# Altium PCB BOARD.PcbDoc (continued)
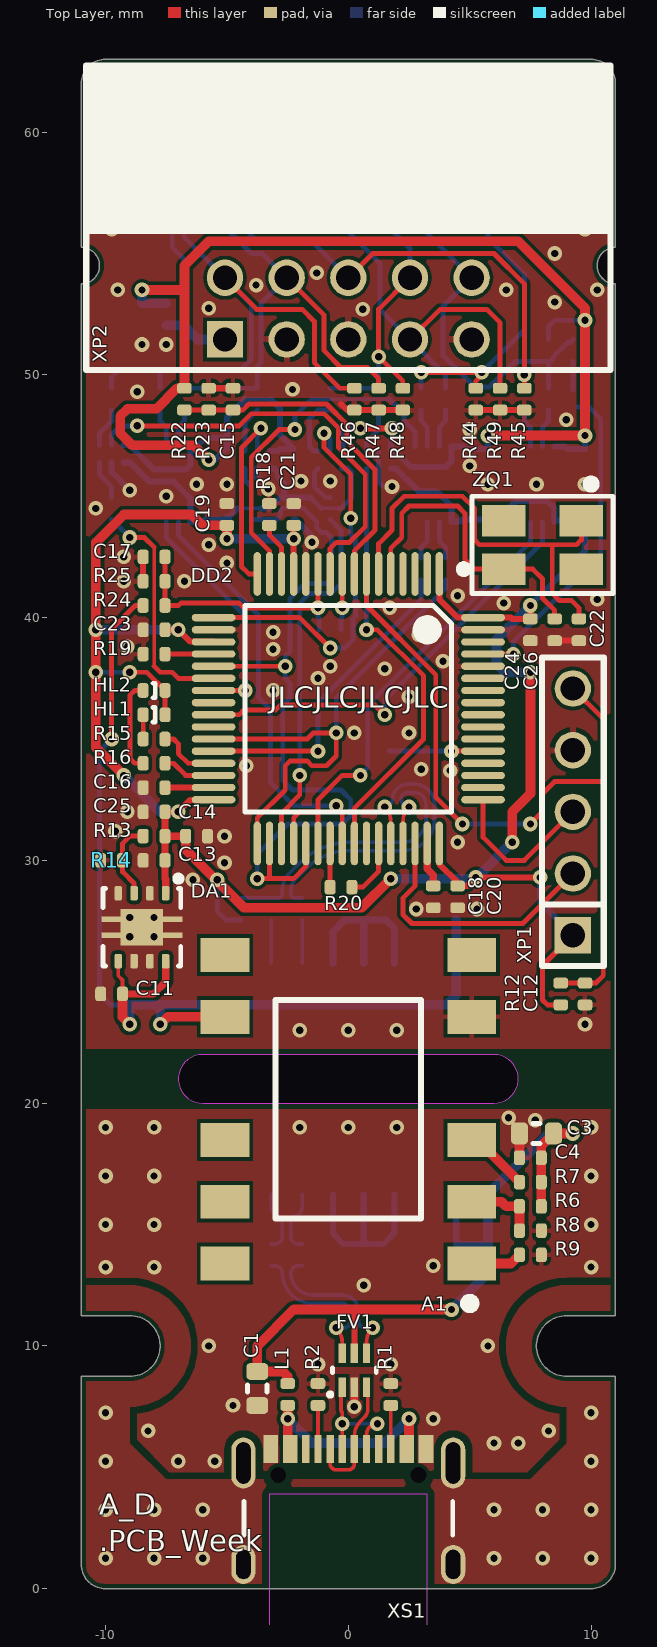
[diagram p0: Top Layer view]
## Part data (continued)
R4 R5 R10 R11: library part RC0402JR-0720RL, Limit Voltage=50V, Manufacturer=Yageo, Schematic Value="20 ±5%", Temperature Coefficient=100ppm, Tolerance=±5%, Total Power Dissipation=0.1W, Working Temperature Max=+155°С, Working Temperature Min=-55°С, Application Category=1, ID=369, Part Number=RC0402JR-0720RL, Published=24.03.2010, Publisher="Andrew Danich", Series Type=Thick-Film, Type=Резистор
R6 R7 R8 R9 R18 R19 R20 R21 R28: library part RC0402JR-070RL, Limit Voltage=50V, Manufacturer=Yageo, Schematic Value="0 ±5%", Temperature Coefficient=100ppm, Tolerance=±5%, Total Power Dissipation=0.1W, Working Temperature Max=+155°С, Working Temperature Min=-55°С, Application Category=1, ID=362, Part Number=RC0402JR-070RL, Published=24.03.2010, Publisher="Andrew Danich", Series Type=Thick-Film, Type=Резистор
R12: library part RC0402JR-0710KL, Limit Voltage=50V, Manufacturer=Yageo, Schematic Value="10k ±5%", Temperature Coefficient=100ppm, Tolerance=±5%, Total Power Dissipation=0.1W, Working Temperature Max=+155°С, Working Temperature Min=-55°С, Application Category=1, ID=476, Part Number=RC0402JR-0710KL, Published=24.03.2010, Publisher="Andrew Danich", Series Type=Thick-Film, Type=Резистор
R13: library part RC0402FR-0722K1L, Limit Voltage=50V, Manufacturer=Yageo, Schematic Value="22.1k ±1%", Temperature Coefficient=100ppm, Tolerance=±1%, Total Power Dissipation=0.1W, Working Temperature Max=+155°С, Working Temperature Min=-55°С, Application Category=1, ID=447, Part Number=RC0402FR-0722K1L, Published=24.03.2010, Publisher="Andrew Danich", Series Type=Thick-Film, Type=Резистор
R14: library part RC0402FR-0712KL, Limit Voltage=50V, Manufacturer=Yageo, Schematic Value="12k ±1%", Temperature Coefficient=100ppm, Tolerance=±1%, Total Power Dissipation=0.1W, Working Temperature Max=+155°С, Working Temperature Min=-55°С, Application Category=1, ID=318, Part Number=RC0402FR-0712KL, Published=24.03.2010, Publisher="Andrew Danich", Series Type=Thick-Film, Type=Резистор
R15 R16: library part RC0402JR-071KL, Limit Voltage=50V, Manufacturer=Yageo, Schematic Value="1k ±5%", Temperature Coefficient=100ppm, Tolerance=±5%, Total Power Dissipation=0.1W, Working Temperature Max=+155°С, Working Temperature Min=-55°С, Application Category=1, ID=3, Part Number=RC0402JR-071KL, Published=24.03.2010, Publisher="Andrew Danich", Series Type=Thick-Film, Type=Резистор
R17: library part RC0402FR-071K6L, Limit Voltage=50V, Manufacturer=Yageo, Schematic Value="1.6k ±1%", Temperature Coefficient=100ppm, Tolerance=±1%, Total Power Dissipation=0.1W, Working Temperature Max=+155°С, Working Temperature Min=-55°С, Application Category=1, ID=504, Part Number=RC0402FR-071K6L, Published=24.03.2010, Publisher="Andrew Danich", Series Type=Thick-Film, Type=Резистор
R22 R23 R24 R25: library part RC0402FR-0710KL, Limit Voltage=50V, Manufacturer=Yageo, Schematic Value="10k ±1%", Temperature Coefficient=100ppm, Tolerance=±1%, Total Power Dissipation=0.1W, Working Temperature Max=+155°С, Working Temperature Min=-55°С, Application Category=1, ID=2, Part Number=RC0402FR-0710KL, Published=24.03.2010, Publisher="Andrew Danich", Series Type=Thick-Film, Type=Резистор
R26: library part RC0402JR-074K7L, Limit Voltage=50V, Manufacturer=Yageo, Schematic Value="4.7k ±5%", Temperature Coefficient=100ppm, Tolerance=±5%, Total Power Dissipation=0.1W, Working Temperature Max=+155°С, Working Temperature Min=-55°С, Application Category=1, ID=4, Part Number=RC0402JR-074K7L, Published=24.03.2010, Publisher="Andrew Danich", Series Type=Thick-Film, Type=Резистор
R27: library part RC0402JR-0751RL, Limit Voltage=50V, Manufacturer=Yageo, Schematic Value="51 ±5%", Temperature Coefficient=100ppm, Tolerance=±5%, Total Power Dissipation=0.1W, Working Temperature Max=+155°С, Working Temperature Min=-55°С, Application Category=1, ID=374, Part Number=RC0402JR-0751RL, Published=24.03.2010, Publisher="Andrew Danich", Series Type=Thick-Film, Type=Резистор
R29 R30 R31 R32 R33 R34 R35 R38 R39 R43: library part RC0402JR-07470RL, Limit Voltage=50V, Manufacturer=Yageo, Schematic Value="470 ±5%", Temperature Coefficient=100ppm, Tolerance=±5%, Total Power Dissipation=0.1W, Working Temperature Max=+155°С, Working Temperature Min=-55°С, Application Category=1, ID=619, Part Number=RC0402JR-07470RL, Published=24.03.2010, Publisher="Andrew Danich", Series Type=Thick-Film, Type=Резистор
R36 R37 R40 R41 R42: library part RC0402JR-07100RL, Limit Voltage=50V, Manufacturer=Yageo, Schematic Value="100 ±5%", Temperature Coefficient=100ppm, Tolerance=±5%, Total Power Dissipation=0.1W, Working Temperature Max=+155°С, Working Temperature Min=-55°С, Application Category=1, ID=479, Part Number=RC0402JR-07100RL, Published=24.03.2010, Publisher="Andrew Danich", Series Type=Thick-Film, Type=Резистор
R44 R45 R46 R47 R48 R49: library part RC0402JR-07200KL, Limit Voltage=50V, Manufacturer=Yageo, Schematic Value="200k ±5%", Temperature Coefficient=100ppm, Tolerance=±5%, Total Power Dissipation=0.1W, Working Temperature Max=+155°С, Working Temperature Min=-55°С, Application Category=1, ID=353, Part Number=RC0402JR-07200KL, Published=24.03.2010, Publisher="Andrew Danich", Series Type=Thick-Film, Type=Резистор
VT1: library part NX3008NBKMB, D-S On-Resistance=1.4omh, D-S Voltage=30V, Drain Current=530mA, Gate Capacitance=50pF, Gate Threshold Voltage=1.1V, Manufacturer="NXP Semiconductors", Total Power Dissipation=360mW, Working Temperature Max=+150°С, Working Temperature Min=-55°С, Application Category=1, Functional Analog=-, ID=36, Part Number=NX3008NBKMB, Published=24.09.2010, Publisher="Andrew Danich", Type=Транзистор
XP1: library part PLS-5, Limit Current=3A, Limit Voltage=250V, Resistance=15momh, Application Category=1, Connector Type=Male, ID=4, Part Number=PLS-5, Pins=5, Pitch=2.54mm, Published=07.03.2013, Publisher="Andrew Danich", Surface Finish=Gold, Type=Вилка
XP2: library part IDC-10MR, Limit Current=1A, Limit Voltage=500V, Resistance=20mohm, Application Category=1, Connector Type=Male, Functional Analog="DS1013-10RSIB, C3510-10SPGB00", ID=11, Part Number=IDC-10MR, Pins=10, Pitch=2.54mm, Published=07.03.2013, Publisher="Andrew Danich", Type=Вилка
XS1: library part U262-161N-4BVC11, Limit Current=3A, Limit Voltage=30V, Manufacturer="XKB Enterprise", Working Temperature Max=+85°С, Working Temperature Min=-40°С, Application Category=1, ClassName=DirectConnect, Connector Type=Female, Functional Analog=C167321, ID=41, Interface="USB 3.1 Type C", Max Data Rate="480 mbps", Mount Type=Surface, Part Number=U262-161N-4BVC11, Pins=16, Published=17.09.2018, Publisher="Andrew Danich", Type=Розетка
XS2: library part XF2M-1015-1A, Limit Current=500mA, Limit Voltage=50V, Manufacturer="Omron Electronics", Resistance=0.05ohm, Working Temperature Max=+85°С, Working Temperature Min=-30°С, Application Category=1, Connector Type=Female, ID=7, Part Number=XF2M-1015-1A, Pins=10, Pitch=0.5mm, Published=07.09.2015, Publisher="Viktor Klishin", Series=FPC, Type=Розетка
XS3: library part XF2M-0615-1A, Limit Current=500mA, Limit Voltage=50V, Manufacturer="Omron Electronics", Resistance=0.05ohm, Working Temperature Max=+85°С, Working Temperature Min=-30°С, Application Category=1, Connector Type=Female, ID=6, Part Number=XF2M-0615-1A, Pins=6, Pitch=0.5mm, Published=16.02.2017, Publisher="Viktor Klishin", Series=FPC, Type=Розетка
ZQ1: library part AB-12.000MALE-T, Load Capacitance=12pF, Output Frequency=12MHz, Application Category=1, ID=14, Part Number=AB-12.000MALE-T, Published=08.03.2013, Publisher="Andrew Danich", Type=Резонатор

## Via types
v1: diameter 0.6, hole 0.3, Top Layer to Bottom Layer, tented both sides, 200 vias
v2: diameter 0.6, hole 0.3, Top Layer to Bottom Layer, 4 vias

## Nets (pads, with @x,y where several pads share a name; then routed paths per layer and width w, separated by ;. In a path a pad name is that pad's centre, name@x,y a point inside that pad or via, vN(x,y) a via of type N, cw(c..) or ccw(c..) an arc to the next point about the centre after c; other vN are vias at no path point)
DEBUG_RXD: R37.2 R44.2 XS3.3 | length 12.9
  Top Layer w0.2: v1(3,50.1) v1(5.5,50.1) 5.5,49.992 5.25,49.742 R44.2
  Bottom Layer w0.2: R37.2 v1(3,50.1) ; v1(5.5,50.1) 7.25,51.85 7.25,54.15 5.75,55.65 XS3.3
FTVCC: C31.1 C32.1 C33.1 C34.1 C35.2 DD3.8 DD4.8 DD5.8 DD6.6 DD7.6 DD8.6 DD9.6 L2.1 R22.2 R26.1 | length 70.4
  Top Layer w0.25: v1(0.5,47.8) v1(1.8,47.8)
  Top Layer w0.4: v1(-8.5,53.5) -6.75,53.5 ; v1(-5.75,46.5) -6.35,47.1 -8.9,47.1 -9.4,47.6 -9.4,48.3 -9.1,48.6 -7.9,48.6 -7.05,49.45 R22.2 -6.75,53.5 ; v1(5.75,47.5) v1(9.75,47.5) v1(9.75,52.25) 9.75,52.75 7,55.5 -5.75,55.5 -6.75,54.5 -6.75,53.5
  Bottom Layer w0.15: -4.25,49 -3.2,49
  Bottom Layer w0.2: R26.1 8.25,52 8.5,52.25 v1(9.75,52.25)
  Bottom Layer w0.25: DD7.6 -9.013,47.113 -8,46.1 -6.7,46.1 -6.5,46.3 DD3.8 -6.25,47.05 -5.9,47.4 -5,47.4 ; v1(-5.75,46.5) -5.5,46.5 -5.05,46.95 C31.1 -5,47.4 ; -4.25,49 -5,48.25 -5,47.5 -5,47.4 ; DD8.6 -2.9,46.863 -2.813,46.95 C33.1 -2.813,47.513 -2.813,48.613 -3.2,49 ; DD6.6 -0.25,47.55 0,47.8 v1(0.5,47.8) ; v1(1.8,47.8) 1.8,47.4 1.75,47.35 DD9.6 1.937,46.863 2.6,46.2 4,46.2 4.25,46.45 DD4.8 4.7,47.05 4.8,46.95 5.75,46.95 v1(5.75,47.5) ; DD5.8 8.9,47.05 9,46.95 C34.1 v1(9.75,47.5)
  Bottom Layer w0.4: v1(-8.5,53.5) C35.2 -8.498,52.952 L2.1
GND: C1.1 C2.1 C3.1 C4.2 C5.2 C6.2 DD1.2 DD1.8 FV1.2 R1.1 R2.1 R3.2 R8.1 R9.1 XS1.A1 XS1.A12 XS1.B1 XS1.B12 | length 1.8
  Top Layer w0.3: v1(0.25,7.5) FV1.2
  Top Layer w0.4: C4.2 C3.1
  other v1: -7,5.25 -5.5,5.25 6,6 7,6 -8.25,6.5 8.25,6.5 3.5,7 -4.75,7.55 -1.25,9.25 1.75,9.25 -5.75,10 5.75,10 0.635,12.5 -10,13.25 -8,13.25 10,13.25 3.5,13.3 -10,15 -8,15 10,15 -10,17 -8,17 10,17 -10,19 -8,19 -2,19 0,19 2,19 10,19 7.7,19.3 6.6,19.4
IGND: A1.5 C7.2 C8.2 C9.1 C10.1 C11.1 C12.2 C13.1 C14.1 C15.2 C16.1 C17.2 C18.1 C19.1 C20.2 C21.2 C22.1 C23.2 C24.2 C25.2 C26.1 C27.2 C28.2 C29.2 C30.2 C31.2 C32.2 C33.2 C34.2 C35.1 DA1.2 DA1.4 DA1.6 DA1.7 DA1.TP DD1.9 DD1.15 DD2.12 DD2.18 DD2.60 DD2.63 DD3.4 DD3.5 DD4.4 DD5.4 DD5.5 DD6.2 DD7.2 DD8.2 DD9.2 DD9.5 R14.1 R18.1 R19.1 R23.1 R25.1 R44.1 R45.1 R46.1 R47.1 R48.1 R49.1 VT1.2 XP1.4 XP2.3 XP2.5 XP2.9 XS2.3 XS2.5 XS2.9 XS3.2 XS3.5 | length 13.3
  Top Layer w0.25: R25.1 C17.2 ; R23.1 C15.2 ; -0.3,48.8 -0.05,48.55 R46.1 R47.1 R48.1 ; R44.1 R49.1 R45.1 ; C26.1 C22.1
  Bottom Layer w0.2: DD9.5 DD9.2 1.25,45.6 1.45,45.4 v1(1.8,45.4)
  Bottom Layer w0.25: DD7.2 -9.75,46 v1(-9,45.25) ; DD8.2 -3.75,45.75 v1(-3.3,45.3) ; C29.2 -2.18,44.05 -1.5,43.37 v1(-1.5,43.1)
  other v1: -2,23 0,23 2,23 9.75,23.25 2.8,28 5.3,28 -6.4,29.2 -5.1,29.9 4.5,30.75 -5.1,31 -9.6,31.2 -9.1,32 4.2,33.7 3,33.75 -4.2,33.9 0.25,35.25 2.5,35.25 2.5,36.75 -3.1,37 -1.25,37.5 1.5,37.9 -0.75,38 3.9,38.2 -3.1,38.7 -9.1,38.8 2.9,39.3 -3.1,39.4 1.7,40.4 6.4,40.6 10.25,40.75 4.5,40.9 -9.25,41.5 -6.75,41.5 -5,42.25 -9.25,42.5 -5.75,43 -10.4,44.5 -7.5,45 -6.25,45.5 -5,45.5 5.75,45.5 7.75,45.5 9.75,45.5 -1.95,45.625 -0.75,45.625 5,46.25 5,47.75 8.975,48.15 -8.7,49.3 -2.3,49.4 -8.5,51.25 -7.5,51.25 0.6,52.7 -5.75,52.75 8.5,53 -9.5,53.5 6.5,53.5 10.25,53.5 -3.8,53.7 -1.3,54.2 8.5,55 -9.75,56 9.75,56 -6.1,56.2 5,56.5 -1,57.75 -9.75,58 9.75,58 1,59.5 -4.75,59.75 -2.75,59.75 4,59.75 6,59.75 8,59.75 -9.75,60 9.75,60 -6.75,61.75 -4.75,61.75 -2.75,61.75 4,61.75 6,61.75 8,61.75
  other v2: -9,26.85 -8,26.85 -9,27.65 -8,27.65
IUSB_N: DD2.44 R10.2 | length 13.3
  Top Layer w0.15: v1(1.5,32.2) cw(c0.896,31.596) 1.75,31.596 DD2.44
  Bottom Layer w0.15: R10.2 -2.215,28.45 cw(c-2.215,28.6) -2.365,28.6 -2.365,28.802 cw(c-1.802,28.802) -2.2,29.2 -1.744,29.656 cw(c0.052,27.86) 0.052,30.4 2.25,30.4 ccw(c2.25,31.7) 3.55,31.7 3.55,32.3 ccw(c2.7,32.3) 2.7,33.15 2.45,33.15 ccw(c2.45,32.525) 1.825,32.525 cw(c1.5,32.525) v1(1.5,32.2)
IUSB_P: DD2.45 R11.2 R17.2 | length 13.5
  Top Layer w0.15: DD2.45 2.25,31.596 cw(c3.104,31.596) v1(2.5,32.2)
  Bottom Layer w0.15: R17.2 R11.2 -2.865,28.45 ccw(c-2.865,28.6) -2.715,28.6 -2.715,28.804 cw(c-1.808,28.804) -2.449,29.446 -1.989,29.906 cw(c0.049,27.868) 0.049,30.75 2.25,30.75 ccw(c2.25,31.7) 3.2,31.7 3.2,32.3 ccw(c2.7,32.3) 2.7,32.8 2.45,32.8 ccw(c2.45,32.525) 2.175,32.525 ccw(c2.5,32.525) v1(2.5,32.2)
IUSBDD_N: DD1.11 R10.1 | length 1.8
  Bottom Layer w0.15: DD1.11 R10.1
IUSBDD_P: DD1.10 R11.1 | length 1.8
  Bottom Layer w0.15: DD1.10 R11.1
IVCC3P3: C13.2 C14.2 C19.2 C20.1 C21.1 C23.1 C24.1 C25.1 C27.1 C28.1 C29.1 C30.1 DA1.1 DD2.1 DD2.13 DD2.19 DD2.32 DD2.48 DD2.64 DD3.1 DD4.1 DD5.1 DD6.1 DD7.1 DD8.1 DD9.1 HL1.1 HL2.1 R12.2 R13.2 R17.1 XP1.1 | length 119.5
  Top Layer w0.2: v1(-9,37.75) -8.298,37.75 HL2.1 HL1.1 ; R12.2 8.2,24.05 8,24.25 8,25.67 XP1.1
  Top Layer w0.25: C25.1 v1(-7,32) -6.51,32.49 -5.56,32.49 DD2.32 ; C23.1 v1(-7,39.5) -6.51,39.01 -5.56,39.01 DD2.19 ; DD2.13 v1(-2.25,43.25) C21.1 ; DD2.48 3.75,29.85 4.5,29.1 C20.1 4.9,28.95 v1(5.25,29.3) v1(7.9,29.3) ; DD2.1 3.75,40.75 4.5,40 DD2.64 6.7,40 6.75,39.95 C24.1 v1(7.5,40.5)
  Top Layer w0.3: C25.1 R13.2 ; DA1.1 -7.525,29.225 -7.55,29.25 C13.2 R13.2 ; C14.2 R13.2
  Top Layer w0.4: v1(-9.25,33.5) -10.4,34.65 v1(-10.4,37.75) v1(-10.4,39.5) -10.4,43.1 -9.25,44.25 -6.45,44.25 -6,43.8 C19.2 v1(-5,43.25) ; C14.2 -6.7,30.45 -4.3,28.05 0.55,28.05 v1(1.75,29.25) ; v1(6.75,30.75) 6.75,32 7.5,32.75 v1(7.5,37.75)
  Bottom Layer w0.15: -4.4,44.5 -3.6,44.5 ; -1.113,44.5 -0.4,44.5
  Bottom Layer w0.2: v1(-10.4,37.75) v1(-9,37.75) ; v1(-5.4,29.2) -5.4,27.9 -5.05,27.55 R17.1 ; -1.563,44.95 -1.113,44.5 ; -0.4,44.5 -0.3,44.5 0.1,44.9
  Bottom Layer w0.25: DD7.1 -8.988,46.387 -8.2,45.6 -7.2,45.6 -6.5,44.9 DD3.1 -6,43.95 -5.9,44.05 C27.1 -4.55,44.5 -4.4,44.5 ; -3.6,44.5 -3.23,44.5 -2.78,44.95 -2.653,44.95 ; DD8.1 -3.037,46.137 -2.9,46 -2.9,45.8 -2.653,45.553 -2.653,44.95 ; -1.563,44.95 C29.1 -2.653,44.95 ; DD6.1 -0.038,46.137 0.1,46 0.1,44.9 ; DD9.1 1.963,46.137 2.9,45.2 3.65,45.2 4.25,44.6 DD4.1@4.25,43.954 ; DD4.1 DD4.1@4.25,43.954 ; v1(7.5,40.5) 9.75,42.75 C30.1 8.9,44.05 8.854,44.004 DD5.1@8.5,44.004 ; v1(7.9,29.3) 7.9,28.27 XP1.1 ; DD5.1 DD5.1@8.5,44.004 ; DD4.1@4.25,43.954 4.604,43.954 4.7,44.05 C28.1 6.15,44.05 6.9,44.8 8.2,44.8 8.5,44.5 DD5.1@8.5,44.004
  Bottom Layer w0.4: v1(-10.4,39.5) v1(-7,39.5) ; v1(-9.25,33.5) -7.75,32 v1(-7,32) ; C27.1 v1(-5,43.25) v1(-2.25,43.25) ; v1(1.75,29.25) v1@5.25,29.25 ; v1(5.25,29.3) v1@5.25,29.25 ; v1(6.75,30.75) v1@5.25,29.25 ; v1(7.5,37.75) 6.45,37.75 6.1,38.1 6.1,39.1 v1(7.5,40.5)
IVCC5P0: A1.8 C7.1 C9.2 C10.2 C11.2 DA1.5 DA1.8 DD1.16 R24.2 | length 45.1
  Top Layer w0.15: DA1.5 -9.475,25.25 -9.3,25.075 C11.2
  Top Layer w0.2: v1(-9.75,35) -9.75,39.525 -8.775,40.5 R24.2
  Top Layer w0.3: C11.2 -8.025,24.5 -7.525,25 DA1.8
  Top Layer w0.4: C11.2 -9.3,23.55 v1(-9,23.25) ; v1(-7.75,23.25) -7.44,23.56 A1.8
  Bottom Layer w0.2: v1(-9.75,35) -10.25,34.5 -10.25,24.5 -9.8,24.05 C9.2
  Bottom Layer w0.4: v1(-9,23.25) C9.2 C10.2 ; v1(-7.75,23.25) C10.2 ; C7.1 DD1.16 4.445,24.445 4.05,24.05 C10.2
IVDD: C8.1 DD1.12 DD1.13 DD1.14 | length 7.4
  Bottom Layer w0.3: DD1.12 -0.635,27.065 -0.15,27.55 C8.1 ; DD1.13 C8.1 ; DD1.14 1.905,27.195 1.55,27.55 C8.1
JTAG_RST_N: R26.2 R27.2 R38.2 XP2.10 XS2.10 | length 21.3
  Bottom Layer w0.2: XS2.10 -2.75,57.05 -2.6,56.9 2.18,56.9 XP2.10 3.9,52.82 3.9,50.8 5.2,49.5 5.8,49.5 6.85,50.55 R26.2 ; R38.2 R26.2 ; R27.2 9.133,51.333 9.033,51.333 8.442,50.742 8.442,50.674 8.318,50.55 R26.2
JTAG_RTCK: R36.2 R49.2 XP2.7 XS2.7 | length 20.9
  Top Layer w0.2: XP2.7 3.78,52.7 5.7,52.7 6.25,52.15 R49.2
  Bottom Layer w0.2: XS2.7 -4.25,56.75 -3.5,56 -0.1,56 1.3,54.6 1.3,52.7 XP2.7 4,50 R36.2
JTAG_TCK: R34.2 R42.2 R47.2 XP2.4 XS2.4 | length 20.2
  Top Layer w0.2: XP2.4 -1,52.46 -1,51 -0.3,50.3 0.8,50.3 1.242,49.858 1.242,49.458 R47.2
  Bottom Layer w0.2: R34.2 R42.2 -3.75,50.35 -3.6,50.5 -3.6,52.94 XP2.4 -3.54,55 -4,55 -5.75,56.75 XS2.4
JTAG_TDI: R40.2 R43.2 R48.2 XP2.8 XS2.8 XS3.4 | length 25.9
  Top Layer w0.2: v1(1.5,56.25) v1(1.5,58.5) ; R48.2@2.242,49.458 2.242,49.758 v1(1.25,50.75) 1.25,52.71 XP2.8
  Bottom Layer w0.2: XS2.8 -3.75,57 -3.25,56.5 0.25,56.5 0.5,56.25 v1(1.5,56.25) 2.54,55.21 XP2.8 ; R40.2 R43.2 v1(1.25,50.75) ; v1(1.5,58.5) 2.25,58.5 2.55,58.8 6.1,58.8 6.25,58.65 XS3.4
JTAG_TDO: R39.2 R45.2 XP2.6 XS2.6 | length 20.1
  Top Layer w0.2: XP2.6 1,55 6,55 7.25,53.75 v1(7.25,50) R45.2
  Bottom Layer w0.2: XS2.6 -4.75,56.5 -3.75,55.5 -1.5,55.5 XP2.6 ; R39.2 v1(7.25,50)
JTAG_TMS: R35.2 R41.2 R46.2 XP2.2 XS2.2 | length 23.7
  Top Layer w0.2: XP2.2 -3.78,52.7 -1.9,52.7 -1.4,52.2 -1.4,50.5 -0.35,49.45 R46.2
  Bottom Layer w0.2: R41.2 -9.75,49.9 -9.45,50.2 -7.75,50.2 ; R35.2 -7.75,50.2 ; XS2.2 -6.75,56.75 -6.75,55.67 XP2.2 -4,52.92 -4,50.65 -4.45,50.2 -7.75,50.2
NetA1_1: A1.1 R9.2 | length 2.1
  Top Layer w0.4: A1.1 6.7,13.4 R9.2
NetA1_2: A1.2 R6.2 R8.2 | length 3
  Top Layer w0.4: A1.2 6.31,15.94 6.5,15.75 R6.2 R8.2
NetA1_3: A1.3 R7.2 | length 2.7
  Top Layer w0.4: A1.3 5.32,18.48 R7.2
NetC16_2: C16.2 DD2.31 | length 2
  Top Layer w0.25: C16.2 DD2.31
NetC18_2: C18.2 DD2.47 | length 1.9
  Top Layer w0.3: DD2.47 3.25,29.65 3.5,29.4 C18.2
NetC22_2: C22.2 DD2.6 ZQ1.1 | length 17.2
  Top Layer w0.2: DD2.6 1.25,43.05 1.8,43.6 1.8,44.5 2.3,45 4.7,45 5.2,44.5 5.2,43.2 5.4,43 8.394,43 ; C22.2 9.5,40.4 9.2,40.7 8.7,40.7 8.4,41 8.4,42.994 8.394,43 ; ZQ1.1 9.6,43.2 9.4,43 8.394,43
NetC26_2: C26.2 DD2.5 ZQ1.3 | length 12.8
  Top Layer w0.2: DD2.5 1.75,42.85 2.2,43.3 2.2,44.3 2.5,44.6 4.5,44.6 4.8,44.3 4.8,42.4 5.2,42 ZQ1.3 7.6,42 8,41.6 8,40.8 8.5,40.3 C26.2
NetDA1_3: DA1.3 R13.1 R14.2 | length 3.2
  Top Layer w0.2: DA1.3 -8.825,29.05 -9.3,29.525 R14.2 -9.3,30.7 -9,31 R13.1
NetDD3_6: DD3.6 R35.1 | length 1.6
  Bottom Layer w0.2: R35.1 -7.75,48.1 -7.5,47.85 DD3.6
NetDD3_7: DD3.7 R34.1 | length 1.6
  Bottom Layer w0.2: DD3.7 -7,47.85 -6.75,48.1 R34.1
NetDD4_2: DD4.2 R29.2 | length 1.6
  Bottom Layer w0.2: DD4.2 3.75,43.15 4,42.9 R29.2
NetDD4_3: DD4.3 R30.2 | length 1.6
  Bottom Layer w0.2: R30.2 3,42.9 3.25,43.15 DD4.3
NetDD4_6: DD4.6 R37.1 | length 1.6
  Bottom Layer w0.2: R37.1 3,48.1 3.25,47.85 DD4.6
NetDD4_7: DD4.7 R36.1 | length 1.6
  Bottom Layer w0.2: DD4.7 3.75,47.85 4,48.1 R36.1
NetDD5_6: DD5.6 R39.1 | length 1.6
  Bottom Layer w0.2: R39.1 7.25,48.1 7.5,47.85 DD5.6
NetDD5_7: DD5.7 R38.1 | length 1.6
  Bottom Layer w0.2: DD5.7 8,47.85 8.25,48.1 R38.1
NetDD6_3: DD6.3 R31.2 | length 1.6
  Bottom Layer w0.2: DD6.3 -1.4,45.988 -1.4,45.4 -0.958,44.958 -0.758,44.958 R31.2
NetDD6_4: DD6.4 R40.1 | length 2.6
  Bottom Layer w0.2: DD6.4 -1.413,46.863 -1.6,47.05 -1.6,48.2 -1.25,48.55 R40.1
NetDD7_3: DD7.3 R32.2 | length 1.6
  Bottom Layer w0.2: DD7.3 -10.25,45.9 -9.75,45.4 R32.2
NetDD7_4: DD7.4 R41.1 | length 1.6
  Bottom Layer w0.2: DD7.4 -10.25,47.6 -9.75,48.1 R41.1
NetDD8_3: DD8.3 R33.2 | length 1.3
  Bottom Layer w0.2: DD8.3 -4.25,45.65 -4,45.4 R33.2
NetDD8_4: DD8.4 R42.1 | length 1.9
  Bottom Layer w0.2: DD8.4 -4.25,48.05 R42.1
NetDD9_4: DD9.4 R43.1 | length 1.9
  Bottom Layer w0.2: DD9.4 0.75,47.25 1.25,47.75 R43.1
NetHL1_2: HL1.2 R15.1 | length 1
  Top Layer w0.2: HL1.2 -8.45,35.998 R15.1
NetHL2_2: HL2.2 R16.1 | length 3.9
  Top Layer w0.2: HL2.2 -8.8,37 -9,36.8 -9,34.2 -8.8,34 R16.1
NetR1_2: R1.2 XS1.B5 | length 1.7
  Top Layer w0.15: XS1.B5@1.75,5.855 R1.2
NetR2_2: R2.2 XS1.A5 | length 1.7
  Top Layer w0.15: XS1.A5@-1.25,5.855 R2.2
NetR27_1: R27.1 VT1.3 | length 1.2
  Bottom Layer w0.2: VT1.3 R27.1
PA0: DD2.14 R18.2 | length 2.2
  Top Layer w0.2: R18.2 -3.242,43.792 -3.242,43.392 -2.75,42.9 DD2.14
PA1: DD2.15 DD4.5 | length 14.5
  Top Layer w0.2: DD2.15 -3.25,42.75 -4,43.5 -4,46.6 -2.85,47.75 v1(-2.2,47.75)
  Bottom Layer w0.15: -1.5,49 1.7,49
  Bottom Layer w0.2: v1(-2.2,47.75) -2.2,48.3 -1.5,49 ; 1.7,49 2.3,48.4 2.3,48.1 2.75,47.65 DD4.5
PA2: DD2.16 DD8.5 | length 7.8
  Top Layer w0.2: DD2.16 -4.1,41.8 -4.4,42.1 -4.4,47 v1(-3.6,47.8)
  Bottom Layer w0.2: DD8.5 -3.75,47.542 -3.6,47.692 v1(-3.6,47.8)
PA3: DD2.17 DD6.5 | length 16.3
  Top Layer w0.2: DD2.17 -2,40 v1(-0.75,38.75) ; v1(-1,47.6) -1,47 0.1,45.9 v1(0.1,44.1)
  Bottom Layer w0.2: v1(-1,47.6) -0.75,47.35 DD6.5 ; v1(-0.75,38.75) -0.15,38.75 0.2,39.1 0.2,39.95 0.3,40.05 0.3,43.2 0.1,43.4 v1(0.1,44.1)
PA4: DD2.20 R19.2 | length 2
  Top Layer w0.2: R19.2 DD2.20
PA5: DD2.21 DD2.34 DD2.37 R33.1 | length 32.6
  Top Layer w0.2: DD2.21 v1(-2.6,38) ; v1(-3.75,29.25) -3.25,29.25 ; DD2.34 -3.25,29.25 ; DD2.37 -1.75,29.75 -2.25,29.25 -3.25,29.25
  Bottom Layer w0.15: -2.7,44.5 -1.85,44.5
  Bottom Layer w0.2: R33.1 -2.95,44.05 -2.8,44.2 -2.8,44.4 -2.7,44.5 ; v1(-3.75,29.25) -3.75,30.25 -2.5,31.5 -0.25,31.5 0.1,31.85 0.1,32.5 -0.3,32.9 -2.3,32.9 -2.7,33.3 -2.7,36.4 -2.4,36.7 -2.4,37.3 -2.6,37.5 v1(-2.6,38) -2.6,38.4 -2.4,38.6 -2.4,40.8 -2.1,41.1 -1.8,41.4 -0.9,41.4 -0.7,41.6 -0.7,43.3 -0.9,43.5 -1.1,43.5 -1.3,43.7 -1.3,43.95 -1.85,44.5
PA6: DD2.22 R32.1 | length 9.8
  Top Layer w0.15: -8,38 -8,42.9
  Top Layer w0.2: v1(-9,43.3) -8.4,43.3 -8,42.9 ; -8,38 -7.75,37.75 -7.25,37.75 -7,37.5 DD2.22
  Bottom Layer w0.2: R32.1 v1(-9,43.3)
PA7: DD2.23 DD3.3 | length 9.6
  Top Layer w0.2: DD2.23 v1(-4.25,37)
  Bottom Layer w0.2: DD3.3 -7.5,43.3 -4.25,40.05 v1(-4.25,37)
PA8: DD2.41 DD9.3 | length 17.9
  Top Layer w0.2: DD2.41 0.25,32.15 3.1,35 3.1,37.6 1.2,39.5 v1(0.75,39.5)
  Bottom Layer w0.2: v1@0.75,39.45 v1(0.75,39.5) DD9.3
PA10: DD2.43 R20.1 | length 2.5
  Top Layer w0.2: R20.1 0.6,28.9 1.25,29.55 DD2.43
PB1: DD2.27 DD2.33 R29.1 | length 20.4
  Top Layer w0.2: DD2.27 -1.7,35 -1.45,35.25 v1(-0.5,35.25) -0.5,34.3 -0.9,33.9 -1.5,33.9 -1.7,34.1 -2.4,34.1 -2.6,33.9 -2.6,32.9 -3.75,31.75 DD2.33
  Bottom Layer w0.2: v1(-0.5,35.25) -0.5,36.7 4,41.2 R29.1
PB2: DD2.28 R30.1 | length 13.1
  Top Layer w0.2: DD2.28 v1(-1.25,34.5)
  Bottom Layer w0.2: v1(-1.25,34.5) -1.25,36.5 3,40.75 R30.1
PB8: DD2.61 VT1.1 | length 13.6
  Top Layer w0.2: DD2.61 v1(6.8,38.5)
  Bottom Layer w0.2: v1(6.8,38.5) 6.8,39 10.4,42.6 10.4,48.2 9.925,48.675 VT1.1
PB10: DD2.29 R15.2 | length 2.6
  Top Layer w0.2: R15.2 -7.2,35 -7,34.8 -7,34.4 -6.6,34 DD2.29
PB11: DD2.30 R16.2 | length 2.2
  Top Layer w0.2: R16.2 -7.2,34 -6.7,33.5 DD2.30
PB14: DD2.35 R31.1 | length 15.1
  Top Layer w0.2: DD2.35 -2.75,31.95 -2,32.7 v1(-2,33.5)
  Bottom Layer w0.2: v1(-2,33.5) -2,40.6 -1.6,41 -0.7,41 -0.3,41.4 -0.3,43.6 R31.1
PB15: DD2.36 DD2.38 DD5.3 R28.2 | length 19.5
  Top Layer w0.2: DD2.36 -2.25,31.75 -2,32 -1.25,32 ; DD2.38 -1.25,32 ; v1(0.5,33.5) -0.25,33.5 -1.25,32.5 -1.25,32
  Bottom Layer w0.2: v1(0.5,33.5) 0.5,33.517 0.8,33.817 R28.2 0.8,36.4 7.5,43.1 DD5.3
PC0: C15.1 DD2.8 R22.1 R23.2 | length 14.1
  Top Layer w0.2: R22.1 R23.2 C15.1 -4.35,48.55 -4.1,48.8 -0.9,48.8 -0.05,47.95 -0.05,47.25 1.1,46.1 1.1,43.6 0.25,42.75 DD2.8
PC1: DD2.9 R21.2 | length 2.3
  Top Layer w0.2: v1(-0.25,40.4) DD2.9
  Bottom Layer w0.2: R21.2 -0.3,39.95 -0.25,40 v1(-0.25,40.4)
PC2: DD2.10 DD7.5 | length 17.8
  Top Layer w0.2: v1(-8.7,47.9) -4.5,47.9 -4,48.4 -1,48.4 -0.4,47.8 -0.4,47 0.7,45.9 0.7,43.75 0.05,43.1 -0.5,43.1 -0.75,42.85 DD2.10
  Bottom Layer w0.2: DD7.5 -9.75,47.55 -9.4,47.9 v1(-8.7,47.9)
PC3: C17.1 DD2.11 R21.1 R24.1 R25.2 | length 10.7
  Top Layer w0.2: C17.1 R25.2 -7.55,40.75 R24.1 -7,40.5 -6.9,40.6 -4.5,40.6 -4.3,40.4 v1(-1.25,40.4) DD2.11
  Bottom Layer w0.2: v1(-1.25,40.4) -1.25,40 -1.2,39.95 R21.1
PC5: DD2.25 DD5.2 | length 18
  Top Layer w0.2: DD2.25 -4.5,36 -4.3,36.2 -3,36.2 -2.8,36.4 1.1,36.4 v1(1.5,36)
  Bottom Layer w0.2: v1(1.5,36) 1.5,36.6 8,43.1 DD5.2
PC8: DD2.39 R20.2 | length 1.8
  Top Layer w0.2: R20.2 DD2.39
PC9: DD2.40 DD3.2 | length 17.1
  Top Layer w0.2: v1(-0.5,32.25) -0.5,32.183 -0.25,31.933 DD2.40
  Bottom Layer w0.2: DD3.2 -7,43.4 -3.7,40.1 -3.7,36.7 -3.2,36.2 -3.2,33.2 -2.25,32.25 v1(-0.5,32.25)
PC12: DD2.53 R28.1 | length 3.9
  Top Layer w0.2: v1(4.25,34.5) DD2.53
  Bottom Layer w0.2: R28.1 v1(4.25,34.5)
RESET_N: C12.1 DD2.7 R12.1 XP1.5 | length 33.1
  Top Layer w0.2: DD2.7 0.75,40.5 3.6,37.65 3.6,32.6 v1(4.7,31.5) ; v1(7.5,31.5) 8,32 8,32.75 8.5,33.25 10.5,33.25 ; R12.1 C12.1 10.2,24.95 10.5,25.25 10.5,33.25 ; XP1.5 10.5,35.83 10.5,33.25
  Bottom Layer w0.2: v1(4.7,31.5) v1(7.5,31.5)
SHLD: C2.2 R3.1 XS1.SH
  other v1: -10,1.25 -8,1.25 -6,1.25 6,1.25 8,1.25 10,1.25 -10,3.25 -8,3.25 -6,3.25 6,3.25 8,3.25 10,3.25 -10,5.25 10,5.25 -10,7.25 10,7.25
SW_CLK: DD2.49 XP1.3 | length 6.5
  Top Layer w0.2: DD2.49 5.55,30.95 6.5,30 7.25,30 XP1.3
SW_DIO: DD2.46 XP1.2 | length 11.1
  Top Layer w0.2: DD2.46 2.75,28.95 2.25,28.45 2.25,27.772 2.622,27.4 7.19,27.4 XP1.2
TVCC: L2.2 XP2.1 XS2.1 XS3.1 | length 23
  Top Layer w0.2: v1(-7.25,59.5) -6.25,58.5 v1(0.5,58.5)
  Bottom Layer w0.2: v1(-7.25,59.5) XS2.1 -7.25,55.25 -6.798,54.798 -6.798,52.048 ; v1(0.5,58.5) 1.25,57.75 XS3.1
  Bottom Layer w0.4: L2.2 -6.798,52.048 -6.21,51.46 XP2.1
USB_N: FV1.4 R4.1 | length 6.6
  Top Layer w0.15: FV1.4 0.75,10.146 cw(c1.604,10.146) v1(1,10.75)
  Bottom Layer w0.15: R4.1 -2.065,13.3 ccw(c-2.065,13) -2.365,13 ccw(c-1.465,13) -1.465,12.1 -0.25,12.1 cw(c-0.25,11.425) 0.425,11.425 0.425,11 ccw(c0.675,11) 0.675,10.75 v1(1,10.75)
USB_P: FV1.6 R5.1 | length 6.6
  Top Layer w0.15: v1(-0.5,10.75) cw(c-1.104,10.146) -0.25,10.146 FV1.6
  Bottom Layer w0.15: R5.1 -3.015,13.3 cw(c-3.015,13) -2.715,13 ccw(c-1.465,13) -1.465,11.75 -0.25,11.75 cw(c-0.25,11.425) 0.075,11.425 0.075,11 cw(c-0.175,11) -0.175,10.75 v1(-0.5,10.75)
USBD_N: FV1.3 XS1.A7 XS1.B7 | length 5.2
  Top Layer w0.15: XS1.B7 -0.75,5.15 ccw(c-0.5,5.15) -0.5,4.9 0,4.9 ccw(c0,5.15) 0.25,5.15 XS1.A7 0.25,6.296 cw(c1.104,6.296) 0.5,6.9 0.659,7.059 ccw(c0.317,7.4) 0.8,7.4 0.8,8.179 ccw(c0.629,8.179) FV1.3
USBD_P: FV1.1 XS1.A6 XS1.B6 | length 5.3
  Top Layer w0.15: XS1.A6 v1(-0.25,6.8) -0.25,7.258 cw(c-0.129,7.378) -0.3,7.378 -0.3,8.179 cw(c-0.129,8.179) FV1.1 ; XS1.B6 0.75,6.35 cw(c1.2,6.35) v1(1.2,6.8)
  Bottom Layer w0.15: v1(-0.25,6.8) v1(1.2,6.8)
USBDD_N: DD1.6 R4.2 | length 2.6
  Bottom Layer w0.15: R4.2 -2.065,14.2 cw(c-2.065,14.5) -2.365,14.5 -2.365,14.934 -2.365,15.185 cw(c-2.215,15.185) -2.321,15.291 cw(c-2.215,15.185) -2.215,15.335 -2.204,15.335 ccw(c-2.204,15.513) -2.078,15.387 -2.017,15.448 ccw(c-2.289,15.719) -1.905,15.719 DD1.6
USBDD_P: DD1.7 R5.2 | length 2.6
  Bottom Layer w0.15: R5.2 -3.015,14.2 ccw(c-3.015,14.5) -2.715,14.5 -2.715,15.079 -2.715,15.185 ccw(c-2.865,15.185) -2.759,15.291 ccw(c-2.865,15.185) -2.865,15.335 -2.876,15.335 cw(c-2.876,15.513) -3.002,15.387 -3.063,15.448 cw(c-2.791,15.719) -3.175,15.719 DD1.7
VBUS: L1.1 XS1.A4 XS1.A9 XS1.B4 XS1.B9 | length 8.6
  Top Layer w0.4: XS1.A4@-2.5,5.905 v1(-2.5,7) L1.1 ; XS1.A9@2.5,5.905 v1(2.5,7)
  Bottom Layer w0.4: v1(-2.5,7) -1.5,6 1.5,6 v1(2.5,7)
VCC5P0: C1.2 C3.2 C4.1 C5.1 DD1.1 FV1.5 L1.2 R6.1 R7.1 | length 30.4
  Top Layer w0.25: FV1.5 0.25,11.5
  Top Layer w0.4: L1.2 -2.5,8.75 -2.7,8.95 C1.2 -3.75,10 -2.25,11.5 0.25,11.5 v1(4.25,11.5) ; R6.1 R7.1 C4.1 7.95,18.25 C3.2 v1(9.25,18.75)
  Bottom Layer w0.25: DD1.1 4.445,15.238 C5.1 5.75,14.2
  Bottom Layer w0.4: v1(4.25,11.5) 5.75,13 5.75,14.2 5.75,16.25 8.25,18.75 v1(9.25,18.75)
VDD: C6.1 DD1.3 DD1.4 DD1.5 | length 8.1
  Bottom Layer w0.25: DD1.5 -0.635,14.635 -0.2,14.2 C6.1 ; DD1.4 0.635,15.238 C6.1 ; DD1.3 1.905,14.655 1.45,14.2 C6.1
pads on no net: A1.6 A1.7 A1.9 A1.10 A1.12 DD2.2 DD2.3 DD2.4 DD2.24 DD2.26 DD2.42 DD2.50 DD2.51 DD2.52 DD2.54 DD2.55 DD2.56 DD2.57 DD2.58 DD2.59 DD2.62 XS1.0 XS1.A8 XS1.B8 XS2.SH XS3.6 XS3.SH ZQ1.2 ZQ1.4

## Polygon pours and split planes (outlines as drawn)
no net on Top Solder "GND_L02_P-001" (solid, remove dead copper): -11,31
SHLD on Bottom Layer "SHLD_L02_P020" (solid, pour order 20): 9,7.5 cw(c9,10) 9,12.5
IGND on Bottom Layer "IGND_L02_P012" (solid, remove dead copper, pour order 12): -11,22.25 11,22.25 11,63 -11,63
GND on Bottom Layer "GND_L02_P022" (solid, remove dead copper, pour order 22): -11,0 11,0 11,19.8 -11,19.8
SHLD on Bottom Layer "SHLD_L02_P006" (solid, pour order 6): -9,7.5 ccw(c-9,10) -9,12.5
SHLD on Bottom Layer "SHLD_L02_P000" (solid, pour order 0): -11,0 -11,12.5 -9,12.5 -9,6 -7.5,4.5 3.5,4.5 7.5,4.5 9,6 9,12.5 11,12.5 11,0
SHLD on Top Layer "SHLD_L01_P018" (solid, pour order 18): 9,7.5 cw(c9,10) 9,12.5
IGND on Top Layer "IGND_L01_P016" (solid, remove dead copper, pour order 16): -11,22.25 11,22.25 11,63 -11,63
SHLD on Top Layer "SHLD_L01_P004" (solid, pour order 4): -11,0 -11,12.5 -9,12.5 -9,6 -7.5,4.5 3.5,4.5 7.5,4.5 9,6 9,12.5 11,12.5 11,0
GND on Top Layer "GND_L01_P024" (solid, remove dead copper, pour order 24): -11,19.75 11,19.75 11,-0.05 -11,-0.05
SHLD on Top Layer "SHLD_L01_P010" (solid, pour order 10): -9,7.5 ccw(c-9,10) -9,12.5

## Silkscreen, mask and mechanical layers (free items; w line width, h text height)
Top Overlay:
  text "JLCJLCJLCJLC" at -3.25,36 h1.5
  text "A_D" at -10.25,2.75 h1.5
  text ".PCB_Week" at -10.25,1.25 h1.5
Bottom Overlay:
  lines w0.15: -7.75,37.5 7.75,37.5 ; -6.5,36.25 -6.5,38.75 ; -3.75,36.25 -3.75,38.75 ; -1.25,36.25 -1.25,38.75 ; 1,36.25 1,38.75 ; 3.75,36.25 3.75,38.75 ; 6.5,36.25 6.5,38.75
  text "2" at -7.25,38.5 h1.5 r180
  text "TMS" at -6,38.5 h1.5 r180
  text "TCK" at -3.5,38.5 h1.5 r180
  text "TDO" at -1,38.5 h1.5 r180
  text "TDI" at 1.75,38.5 h1.5 r180
  text "SRST" at 4,38.5 h1.5 r180
  text "10" at 6.75,38.5 h1.5 r180
  text "1" at -7.25,37.25 h1.5 r180
  text "TVCC" at -6.25,37.25 h1.5 r180
  text "GND" at -3.5,37.25 h1.5 r180
  text "GND" at -1,37.25 h1.5 r180
  text "RTCK" at 1.25,37.25 h1.5 r180
  text "GND" at 4.25,37.25 h1.5 r180
  text "9" at 7,37.25 h1.5 r180
Top Solder:
  region: 11,12.75 9,12.75 9,7.25 11,7.25
  rectangle: -11,7.25 -9,12.75
  rectangle: -11,20 11,22
  region: 9,7.25 cw(c9,10) 9,12.75
  region: -9,7.25 ccw(c-9,10) -9,12.75
Bottom Solder:
  region: 11,12.75 9,12.75 9,7.25 11,7.25
  rectangle: -11,7.25 -9,12.75
  rectangle: -11,20 11,22
  region: 9,7.25 cw(c9,10) 9,12.75
  region: -9,7.25 ccw(c-9,10) -9,12.75
1 - Board Outline:
  lines w0.2: -11,1 ccw(c-10,1) -10,0 10,0 ccw(c10,1) 11,1 11,8.75 9,8.75 cw(c9,10) 9,11.25 11,11.25 11,53.75 cw(c11,54.5) 11,55.25 11,62 ccw(c10,62) 10,63 -10,63 ccw(c-10,62) -11,62 -11,55.25 cw(c-11,54.5) -11,53.75 -11,11.25 -9,11.25 cw(c-9,10) -9,8.75 -11,8.75 -11,1 ; -6,20 cw(c-6,21) -6,22 6,22 cw(c6,21) 6,20 -6,20